# Altium PCB graviton.PcbDoc (part 1 of 15) (continued)
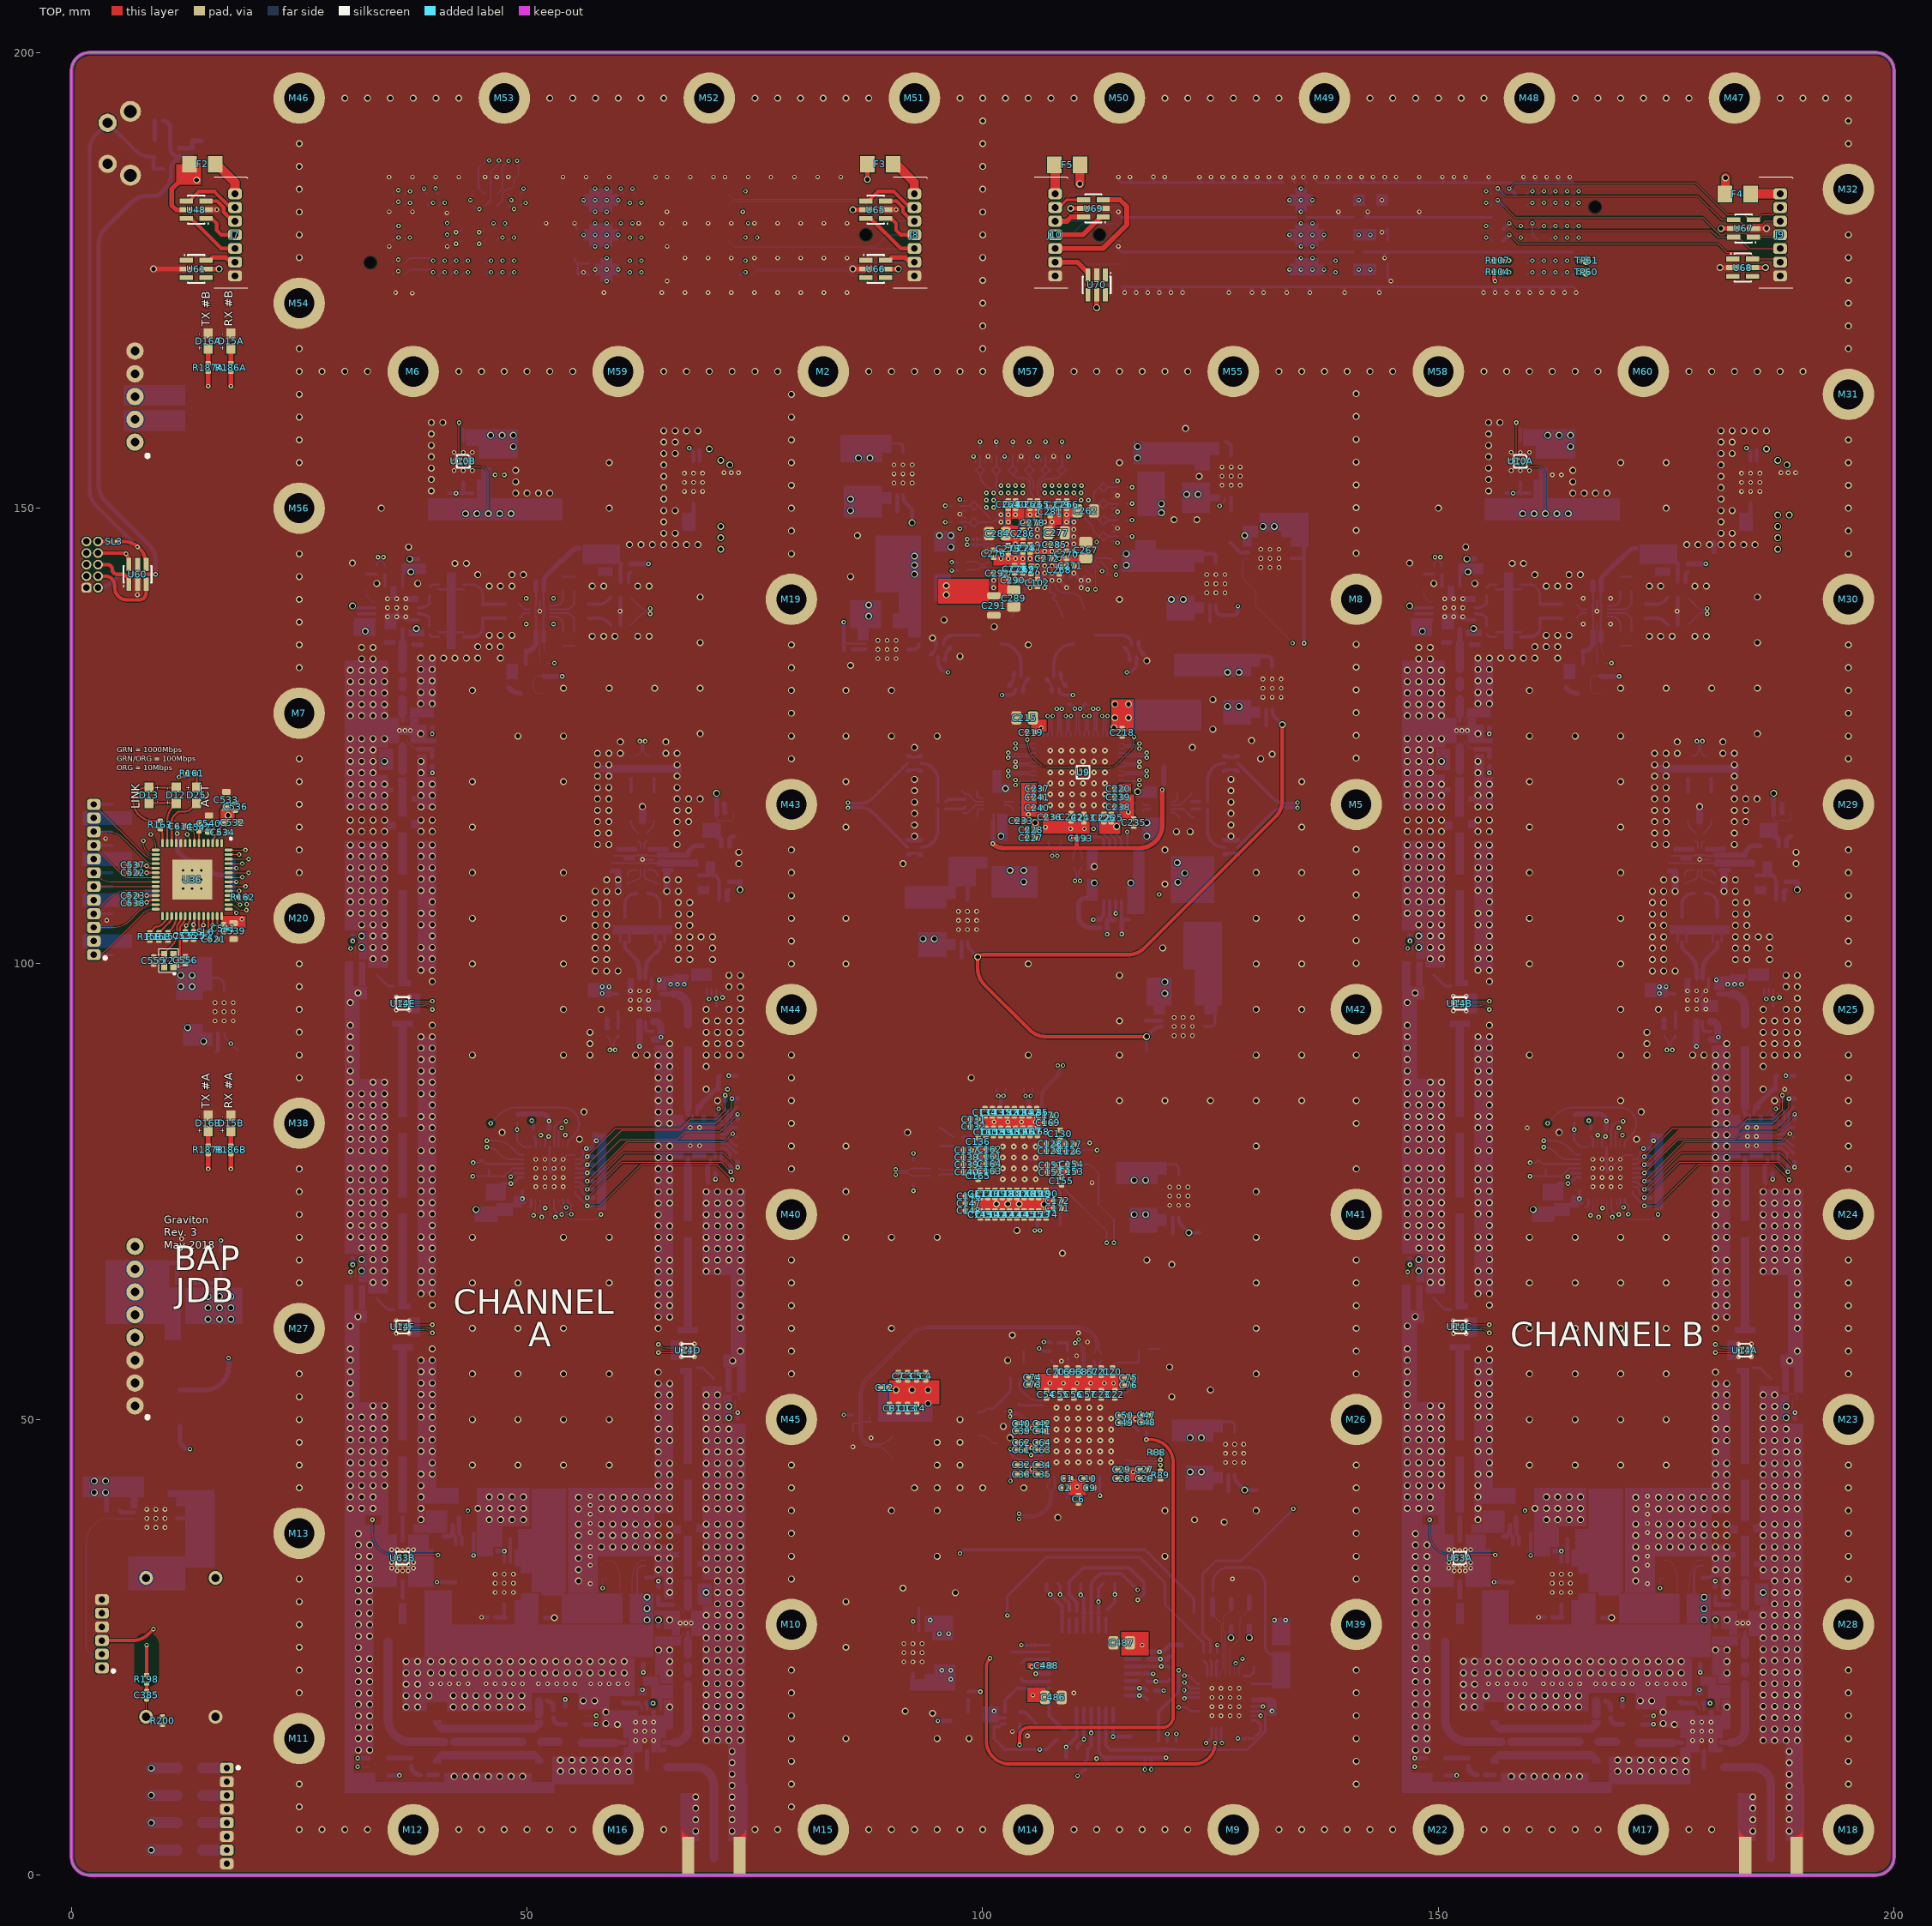
[diagram p0: TOP view]
## Classes and differential pairs (continued)
net class z50l14: CLK-40_38 NetC256A_2 NetC256B_2 NetC256C_2 NetC256D_2 NetC256E_2 NetC256F_2 NetC257A_1 NetC257B_1 NetC257C_1 NetC257D_1 NetC257E_1 NetC257F_1 NetC350A_1 NetC350A_2 NetC350B_1 NetC350B_2 NetC350C_1 NetC350C_2 NetC350D_1 NetC350D_2 NetC351A_1 NetC351B_1 NetC351C_1 NetC351D_1 NetC366A_1 NetC366B_1 NetC480A_2 NetC480B_2 NetC481A_1 NetC481B_1 NetC504A_1 NetC504A_2 NetC504B_1 NetC504B_2 NetC507A_1 NetC507B_1 NetL3A_2 NetL3B_2 NetL17A_2 NetL17B_2 NetMS1A_4 NetMS1A_6 NetMS1B_4 NetMS1B_6 R1A R1B R2A R2B R3A R3B R5A R5B RF3A RF3B RM_FA_N RM_FA_P RM_FB_N RM_FB_P RX-INA RX-INB T1A T1B T2A T2B T3A T3B T4A T4B T5A T5B TX-OUTA TX-OUTB
net class z50l12: NetR162_2 PRE_RX_ENA PRE_RX_ENB RGMII.CONFIG_2 RGMII.MDC_2 RGMII.MDIO_2 RGMII.RESETN_2 RGMII.RXCLK_2 RGMII.RXCTRL_2 RGMII.RXD0_2 RGMII.RXD1_2 RGMII.RXD2_2 RGMII.RXD3_2 RGMII.TXCLK_2 RGMII.TXCTRL_2 RGMII.TXD0_2 RGMII.TXD1_2 RGMII.TXD2_2 RGMII.TXD3_2 TX_SWA TX_SWB
component class IFAMP1RXB: C98B C99B C100B C101B C103B C104B C105B C106B C107B C108B C109B C110B C111B C112B C113B C116B C117B C192B FL1B FL2B L1B L2B R31B R32B R35B R36B R38B R41B T1B U16B U17B U19B
component class ETH: C521 C522 C523 C525 C529 C530 C532 C533 C534 C535 C536 C537 C538 C539 C540 C541 C542 C543 C544 C545 C546 C547 C548 C549 C550 C551 C552 C553 C554 C555 C556 C612 C613 C614 C618 C619 C620 D12 D13 D17 D18 D19 D20 D21 D22 D23 D24 D25 P2 R157 R158 R159 R161 R162 R163 R165 SL6 U36 Y2
component class CON-R-B: F4 F5 J6 J9 J10 U67 U68 U69 U70
component class CON-L-B: F2 F3 J4 J7 J8 U48 U61 U65 U66
component class TXMIXB: C209B C368B C369B C370B C371B C372B C373B C374B C375B C376B C377B L31B L32B R44B R46B R90B R91B R133B R134B U30B U31B U32B
component class TXMIXA: C209A C368A C369A C370A C371A C372A C373A C374A C375A C376A C377A L31A L32A R44A R46A R90A R91A R133A R134A U30A U31A U32A
component class RXMIXB: C206B C208B C355B C358B C359B C360B C361B C362B C363B C364B C365B C366B C367B FB11B L30B L36B L37B R39B R40B R45B R130B U18B U27B U28B U29B
component class RXMIXA: C206A C208A C355A C358A C359A C360A C361A C362A C363A C364A C365A C366A C367A L30A L36A L37A R39A R40A R45A R130A U18A U27A U28A U29A
component class SYNTH: C18 C115 C118 C119 C120 C121 C122 C123 C124 C125 C126 C127 C128 C129 C130 C131 C132 C133 C134 C135 C136 C137 C138 C139 C140 C141 C142 C143 C144 C145 C146 C147 C148 C149 C150 C151 C152 C153 C154 C155 C156 C157 C158 C159 C160 C161 C162 C163 C164 C165 C166 C167 C168 C169 C170 C171 C172 C173 C174 C175 C176 C177 C178 C179 C180 C181 C182 C183 C184 C185 C186 C187 C188 C189 C190 D1 D2 D3 R42 R43 R48 R49 R50 R51 R52 R53 R54 R55 R56 R57 U7
component class DAC-DIGITAL: C86 C87 C483 C484 R18 R201 R202 R203 R204 R205 R206 R207 R208 R209 R210 R211 R212 R213 R214 R215 R216 R217 R218 R219 R220 R221 R222 R223 R224 R225 R226 R227 R228 R229 R230 R231 R232 R233 R234 R235 R236 SL1 SL2 TP4 U2
component class CLK: C1 C2 C3 C4 C5 C6 C7 C8 C9 C10 C11 C12 C13 C14 C16 C17 C20 C21 C22 C23 C26 C27 C28 C29 C32 C33 C34 C35 C39 C40 C41 C42 C46 C47 C48 C49 C50 C53 C54 C55 C56 C57 C60 C61 C62 C63 C64 C67 C68 C69 C70 C73 C74 C75 C76 C79 C80 C81 C82 C83 C84 C85 C482 R3 R4 R6 R7 R8 R9 R10 R11 R12 R15 R16 R17 R86 R88 R89 TP33 TP34 U1 Y1
component class ADC-DIGITAL: C334 C335 R102 R104 R105 R106 R107 TP53 TP60 TP61 TP62 TP63 U21
component class MECH: M2 M5 M6 M7 M8 M9 M10 M11 M12 M13 M14 M15 M16 M17 M18 M19 M20 M21 M22 M23 M24 M25 M26 M27 M28 M29 M30 M31 M32 M33 M34 M35 M38 M39 M40 M41 M42 M43 M44 M45 M46 M47 M48 M49 M50 M51 M52 M53 M54 M55 M56 M57 M58 M59 M60 TP5 TP6 TP7 TP8 TP9 TP10 TP11 TP12 TP13 TP14 TP54 TP55 TP56 TP57 TP58
component class FANS: F6 F7 F8 F9 J11 MB1 Q11 R252
component class ADC-AMPB: C90B C91B C92B C93B C201B C203B R23B R24B R25B R26B R29B R30B TP17B TP27B U6B
component class ADC-LDO: C388 C389 C390 C391 C392 C393 C394 C395 C396 C397 C398 C399 R59 TP18 TP19 TP20 U34 U35 U37
component class ADC-POWER: C214 C215 C216 C217 C218 C219 C220 C221 C222 C223 C224 C225 C226 C227 C228 C229 C230 C231 C232 C233 C234 C235 C236 C237 C238 C239 C240 C241 C242 C243 L7 L8 L9
component class ADC: C24 C25 C380 C381 R61 U8 U9
component class DAC-ANALOG: C102 R2 R5 R27 R33 R34 T3 T4 TP28 TP30 TP59 TP67
component class DAC-LDO: C408 C409 C410 C411 C412 C413 C414 C415 C416 C417 C418 C419 R62 TP22 TP23 TP24 U40 U41 U42
component class DAC-POWER: C262 C263 C264 C265 C266 C267 C268 C269 C270 C271 C272 C273 C274 C275 C276 C277 C278 C279 C280 C281 C282 C283 C284 C285 C286 C287 C288 C289 C290 C291 C292 L14 L16 L19
component class DSAA: C293A C294A C295A C296A D7A L20A R67A R69A R70A R71A R72A R73A R74A R75A U15A
component class DSAB: C293B C294B C295B C296B D7B L20B R67B R69B R70B R71B R72B R73B R74B R75B U15B
component class ETH-LDO: C420 C421 C422 C423 R63 TP25 U43
component class IFAMP1RXA: C98A C99A C100A C101A C103A C104A C105A C106A C107A C108A C109A C110A C111A C112A C113A C116A C117A C192A FL1A FL2A L1A L2A R31A R32A R35A R36A R38A R41A T1A U16A U17A U19A
component class IFAMPTXA: C320A C321A C322A C323A C324A C325A C326A C327A C328A C329A C330A C331A C332A C333A C336A C337A FL3A FL4A L25A L26A R97A R98A R99A R100A R109A R110A R111A R112A R113A R114A R116A R117A R119A R120A U20A U22A U24A
component class IFAMPTXB: C320B C321B C322B C323B C324B C325B C326B C327B C328B C329B C330B C331B C332B C333B C336B C337B FL3B FL4B L25B L26B R97B R98B R99B R100B R109B R110B R111B R112B R113B R114B R116B R117B R119B R120B U20B U22B U24B
component class INGRESS: C38 C43 C58 P1 P3
component class MAIN: C486 C487 C488 F1 J2 J3 J5 R14 R19 R20 R21 R22 R58 R87 R138 R196 R197 R237 R239 R242 R243 R244 R245 SL3 SL7 SL8 SL9 SL11 SL12 SL13 SL14 SL15 SL16 SL17 SL18 SL19 SL21 SL23 SL25 SL26 TP1 TP2 TP3 TP15 TP35 TP36 TP37 TP38 TP39 TP40 TP41 TP42 TP43 TP44 TP46 TP47 TP48 TP49 TP50 TP51 U59 U60
component class OCXO: C382 C383 C384 C385 C386 C387 C490 J1 R137 R139 R140 R198 R200 U33 Y3
component class RFA: C244A C245A C471A C472A C473A C474A C475A C476A C477A C478A D15A D16A R37A R47A R92A R175A R176A R177A R178A R179A R180A R181A R182A R183A R186A R187A U11A U54A
component class RFB: C244B C245B C471B C472B C473B C474B C475B C476B C477B C478B D15B D16B R37B R47B R92B R175B R176B R177B R178B R179B R180B R181B R182B R183B R186B R187B U11B U54B
component class RST: C467 C468 C469 R171 R172 R173 R174 S1 U53
component class SAWTXA: U55B
component class SAWTXB: U55D
component class SWA: C502A C503A C505A C506A C507A D26A L46A R15A R256A U64A
component class SWB: C502B C503B C505B C506B C507B D26B L46B R15B R256B U64B
component class V1V8: C432 C433 C434 C435 R141 U46
component class V2V5: C436 C437 C438 C439 R142 U47
component class V3CLK: C404 C405 C406 C407 R60 TP21 U39
component class V3SYNTH: C428 C429 C430 C431 R66 TP26 U45
component class V3: C424 C425 C426 C427 U44
component class V5A: C454A C455A C456A C457A C458A R152A R153A TP29A U10A U49A
component class V5B: C454B C455B C456B C457B C458B R152B R153B TP29B U10B U49B
component class V5NA: C463A C464A C465A C466A R169A R170A TP68A U52A
component class V5NB: C463B C464B C465B C466B R169B R170B TP68B U52B
component class VSWRA: C480A C481A C504A MS1A R190A R191A R192A R193A R194A R195A U57A U58A
component class VSWRB: C480B C481B C504B MS1B R190B R191B R192B R193B R194B R195B U57B U58B
channel class dsa: DSAA DSAB
channel class ifamp-rx: IFAMP1RXA IFAMP1RXB
channel class ifamp-tx: IFAMPTXA IFAMPTXB
channel class mixer-rx: RXMIXA RXMIXB
channel class mixer-tx: TXMIXA TXMIXB
channel class power-v5: V5A V5B
channel class power-v5n: V5NA V5NB
channel class rf: RFA RFB
channel class rx: RXA RXB
channel class switch: SWA SWB
channel class tx: TXA TXB
channel class vswr: VSWRA VSWRB
component class PA-LDOA: C207A C494A C496A C497A C498A C499A C500A R1A R253A R254A R255A U3A U62A
component class PA-LDOB: C207B C494B C496B C497B C498B C499B C500B R1B R253B R254B R255B U3B U62B
channel class pa: PAA PAB
net class spi: ADC-CS_2 CLK-CS_2 CLK_2 DAC-CS_2 SPI-A-CS_2 SPI-B-CS_2 SYNTH-CS_2 TELEM-CS_2
component class AMP1RXA: C210A C211A C253A C254A C255A C256A C257A C258A C259A C260A C261A L13A R64A R65A U12A U13A U14A
component class AMP1RXB: C210D C211D C253D C254D C255D C256D C257D C258D C259D C260D C261D L13D R64D R65D U12D U13D U14D
channel class lna: LNAA LNAB LNATXA LNATXB
component class PREAMP2A: C210B C211B C253B C254B C255B C256B C257B C258B C259B C260B C261B L13B R64B R65B U12B U13B U14B
component class PREAMP2B: C210E C211E C253E C254E C255E C256E C257E C258E C259E C260E C261E L13E R64E R65E U12E U13E U14E
component class PREAMP3A: C210C C211C C253C C254C C255C C256C C257C C258C C259C C260C C261C L13C R64C R65C U12C U13C U14C
component class PREAMP3B: C210F C211F C253F C254F C255F C256F C257F C258F C259F C260F C261F L13F R64F R65F U12F U13F U14F
component class PAA: C15A C30A C31A C114A C191A C198A C202A C212A C213A L3A L17A L18A R13A R28A R188A R189A U4A U56A U63A
component class PAB: C15B C30B C31B C114B C191B C198B C202B C212B C213B L3B L17B L18B R13B R28B R188B R189B U4B U56B U63B
channel class pa-ldo: PA-LDOA PA-LDOB
net class eth: NetR162_2 RGMII.CONFIG_2 RGMII.MDC_2 RGMII.MDIO_2 RGMII.RESETN_2 RGMII.RXCLK_2 RGMII.RXCTRL_2 RGMII.RXD0_2 RGMII.RXD1_2 RGMII.RXD2_2 RGMII.RXD3_2 RGMII.TXCLK_2 RGMII.TXCTRL_2 RGMII.TXD0_2 RGMII.TXD1_2 RGMII.TXD2_2 RGMII.TXD3_2
net class dac: DAC-LVDS.DAC-D0_2_N DAC-LVDS.DAC-D0_2_P DAC-LVDS.DAC-D1_2_N DAC-LVDS.DAC-D1_2_P DAC-LVDS.DAC-D2_2_N DAC-LVDS.DAC-D2_2_P DAC-LVDS.DAC-D3_2_N DAC-LVDS.DAC-D3_2_P DAC-LVDS.DAC-D4_2_N DAC-LVDS.DAC-D4_2_P DAC-LVDS.DAC-D5_2_N DAC-LVDS.DAC-D5_2_P DAC-LVDS.DAC-D6_2_N DAC-LVDS.DAC-D6_2_P DAC-LVDS.DAC-D7_2_N DAC-LVDS.DAC-D7_2_P DAC-LVDS.DAC-D8_2_N DAC-LVDS.DAC-D8_2_P DAC-LVDS.DAC-D9_2_N DAC-LVDS.DAC-D9_2_P DAC-LVDS.DAC-D10_2_N DAC-LVDS.DAC-D10_2_P DAC-LVDS.DAC-D11_2_N DAC-LVDS.DAC-D11_2_P DAC-LVDS.DAC-D12_2_N DAC-LVDS.DAC-D12_2_P DAC-LVDS.DAC-DCLK_2_N DAC-LVDS.DAC-DCLK_2_P DAC-LVDS.DAC-FRAME_2_N DAC-LVDS.DAC-FRAME_2_P DAC-LVDS.DAC-OSTR_2_N DAC-LVDS.DAC-OSTR_2_P DAC-LVDS.DAC-PARITY_2_N DAC-LVDS.DAC-PARITY_2_P DAC-LVDS.DAC-SYNC_2_N DAC-LVDS.DAC-SYNC_2_P
component class OSC: C19 R85 U38 U50
component class TELEM: C36 C37 C44 C45 C51 C52 R68 R76 R77 R78 R79 R80 R81 R82 R83 R84 U5 U23 U25
differential pair RX-B.S_2: +RX-B.S_2_P -RX-B.S_2_N
differential pair RX-A.S_2: +RX-A.S_2_P -RX-A.S_2_N
differential pair IN-BB: +IN-BB_P -IN-BB_N
differential pair IN-BA: +IN-BA_P -IN-BA_N
differential pair A8B: +A8B_P -A8B_N
differential pair A8A: +A8A_P -A8A_N
differential pair A6B: +A6B_P -A6B_N
differential pair A6A: +A6A_P -A6A_N
differential pair TX-LO-B.C_2: +TX-LO-B.C_2_P -TX-LO-B.C_2_N
differential pair TX-LO-A.C_2: +TX-LO-A.C_2_P -TX-LO-A.C_2_N
differential pair RX-LO-B.C_2: +RX-LO-B.C_2_P -RX-LO-B.C_2_N
differential pair RX-LO-A.C_2: +RX-LO-A.C_2_P -RX-LO-A.C_2_N
differential pair IOUTC_28: +IOUTC_28_P -IOUTC_28_N
differential pair IOUTB_28: +IOUTB_28_P -IOUTB_28_N
differential pair TX-B.S_2: +TX-B.S_2_P -TX-B.S_2_N
differential pair TX-A.S_2: +TX-A.S_2_P -TX-A.S_2_N
differential pair ADC0-LVDS.ADC-D0_2: +ADC0-LVDS.ADC-D0_2_P -ADC0-LVDS.ADC-D0_2_N
differential pair ADC0-LVDS.ADC-D1_2: +ADC0-LVDS.ADC-D1_2_P -ADC0-LVDS.ADC-D1_2_N
differential pair ADC0-LVDS.ADC-D2_2: +ADC0-LVDS.ADC-D2_2_P -ADC0-LVDS.ADC-D2_2_N
differential pair ADC0-LVDS.ADC-D3_2: +ADC0-LVDS.ADC-D3_2_P -ADC0-LVDS.ADC-D3_2_N
differential pair ADC0-LVDS.ADC-D4_2: +ADC0-LVDS.ADC-D4_2_P -ADC0-LVDS.ADC-D4_2_N
differential pair ADC0-LVDS.ADC-D5_2: +ADC0-LVDS.ADC-D5_2_P -ADC0-LVDS.ADC-D5_2_N
differential pair ADC0-LVDS.ADC-D6_2: +ADC0-LVDS.ADC-D6_2_P -ADC0-LVDS.ADC-D6_2_N
differential pair ADC0-LVDS.ADC-D7_2: +ADC0-LVDS.ADC-D7_2_P -ADC0-LVDS.ADC-D7_2_N
differential pair ADC0-LVDS.ADC-D8_2: +ADC0-LVDS.ADC-D8_2_P -ADC0-LVDS.ADC-D8_2_N
differential pair ADC0-LVDS.ADC-D9_2: +ADC0-LVDS.ADC-D9_2_P -ADC0-LVDS.ADC-D9_2_N
differential pair ADC0-LVDS.ADC-D10_2: +ADC0-LVDS.ADC-D10_2_P -ADC0-LVDS.ADC-D10_2_N
differential pair ADC0-LVDS.ADC-D11_2: +ADC0-LVDS.ADC-D11_2_P -ADC0-LVDS.ADC-D11_2_N
differential pair ADC0-LVDS.ADC-D12_2: +ADC0-LVDS.ADC-D12_2_P -ADC0-LVDS.ADC-D12_2_N
differential pair ADC0-LVDS.ADC-D13_2: +ADC0-LVDS.ADC-D13_2_P -ADC0-LVDS.ADC-D13_2_N
differential pair ADC0-LVDS.ADC-D14_2: +ADC0-LVDS.ADC-D14_2_P -ADC0-LVDS.ADC-D14_2_N
differential pair ADC0-LVDS.ADC-D15_2: +ADC0-LVDS.ADC-D15_2_P -ADC0-LVDS.ADC-D15_2_N
differential pair ADC0-LVDS.ADC-DCLK_2: +ADC0-LVDS.ADC-DCLK_2_P -ADC0-LVDS.ADC-DCLK_2_N
differential pair ADC0-LVDS.ADC-SYNC_2: +ADC0-LVDS.ADC-SYNC_2_P -ADC0-LVDS.ADC-SYNC_2_N
differential pair ADC-CLK.C_2: +ADC-CLK.C_2_P -ADC-CLK.C_2_N
differential pair CLIENT-CLK.C_2: +CLIENT-CLK.C_2_P -CLIENT-CLK.C_2_N
differential pair D0_T_27: +D0_T_27_P -D0_T_27_N
differential pair D12_T_27: +D12_T_27_P -D12_T_27_N
differential pair DAC-CLK.C_2: +DAC-CLK.C_2_P -DAC-CLK.C_2_N
differential pair DAC-LVDS.DAC-D0_2: +DAC-LVDS.DAC-D0_2_P -DAC-LVDS.DAC-D0_2_N
differential pair DAC-LVDS.DAC-D1_2: +DAC-LVDS.DAC-D1_2_P -DAC-LVDS.DAC-D1_2_N
differential pair DAC-LVDS.DAC-D2_2: +DAC-LVDS.DAC-D2_2_P -DAC-LVDS.DAC-D2_2_N
differential pair DAC-LVDS.DAC-D3_2: +DAC-LVDS.DAC-D3_2_P -DAC-LVDS.DAC-D3_2_N
differential pair DAC-LVDS.DAC-D4_2: +DAC-LVDS.DAC-D4_2_P -DAC-LVDS.DAC-D4_2_N
differential pair DAC-LVDS.DAC-D5_2: +DAC-LVDS.DAC-D5_2_P -DAC-LVDS.DAC-D5_2_N
differential pair DAC-LVDS.DAC-D6_2: +DAC-LVDS.DAC-D6_2_P -DAC-LVDS.DAC-D6_2_N
differential pair DAC-LVDS.DAC-D7_2: +DAC-LVDS.DAC-D7_2_P -DAC-LVDS.DAC-D7_2_N
differential pair DAC-LVDS.DAC-D8_2: +DAC-LVDS.DAC-D8_2_P -DAC-LVDS.DAC-D8_2_N
differential pair DAC-LVDS.DAC-D9_2: +DAC-LVDS.DAC-D9_2_P -DAC-LVDS.DAC-D9_2_N
differential pair DAC-LVDS.DAC-D10_2: +DAC-LVDS.DAC-D10_2_P -DAC-LVDS.DAC-D10_2_N
differential pair DAC-LVDS.DAC-D11_2: +DAC-LVDS.DAC-D11_2_P -DAC-LVDS.DAC-D11_2_N
differential pair DAC-LVDS.DAC-D12_2: +DAC-LVDS.DAC-D12_2_P -DAC-LVDS.DAC-D12_2_N
differential pair DAC-LVDS.DAC-D13_2: +DAC-LVDS.DAC-D13_2_P -DAC-LVDS.DAC-D13_2_N
differential pair DAC-LVDS.DAC-D14_2: +DAC-LVDS.DAC-D14_2_P -DAC-LVDS.DAC-D14_2_N
differential pair DAC-LVDS.DAC-D15_2: +DAC-LVDS.DAC-D15_2_P -DAC-LVDS.DAC-D15_2_N
differential pair DAC-LVDS.DAC-DCLK_2: +DAC-LVDS.DAC-DCLK_2_P -DAC-LVDS.DAC-DCLK_2_N
differential pair DAC-LVDS.DAC-FRAME_2: +DAC-LVDS.DAC-FRAME_2_P -DAC-LVDS.DAC-FRAME_2_N
differential pair DAC-LVDS.DAC-OSTR_2: +DAC-LVDS.DAC-OSTR_2_P -DAC-LVDS.DAC-OSTR_2_N
differential pair DAC-LVDS.DAC-PARITY_2: +DAC-LVDS.DAC-PARITY_2_P -DAC-LVDS.DAC-PARITY_2_N
differential pair DAC-LVDS.DAC-SYNC_2: +DAC-LVDS.DAC-SYNC_2_P -DAC-LVDS.DAC-SYNC_2_N
differential pair DCLK_T_27: +DCLK_T_27_P -DCLK_T_27_N
differential pair FRAME_T_27: +FRAME_T_27_P -FRAME_T_27_N
differential pair LO-CLK.C_34: +LO-CLK.C_34_P -LO-CLK.C_34_N
differential pair PARITY_T_27: +PARITY_T_27_P -PARITY_T_27_N
differential pair SYNC_T_27: +SYNC_T_27_P -SYNC_T_27_N
differential pair VXO_34: +VXO_34_P -VXO_34_N
differential pair RX_MIXA: +RX_MIXA_P -RX_MIXA_N
differential pair RX_MIXB: +RX_MIXB_P -RX_MIXB_N
differential pair DAC-OSTR_T_27: +DAC-OSTR_T_27_P -DAC-OSTR_T_27_N
differential pair DACCLK_T_27: +DACCLK_T_27_P -DACCLK_T_27_N
differential pair CLKIN_T_21: +CLKIN_T_21_P -CLKIN_T_21_N
differential pair SYNCIN_T_21: +SYNCIN_T_21_P -SYNCIN_T_21_N
differential pair D1_28: +D1_28_P -D1_28_N
differential pair D2_28: +D2_28_P -D2_28_N

## Components (designator, comment, footprint, x,y, rotation, side; value= is the part's Value field where it differs from the comment)
C1 "GRM155R71H103KA88" CAPC100X50X55L25N#1 109.25,43.5 r0 top value=10nF
C2 "GRM155R71H103KA88" CAPC100X50X55L25N#1 109,42.5 r0 top value=10nF
C3 "GRM155R71H103KA88" CAPC100X50X55L25N#1 91.75,54.75 r270 top value=10nF
C4 "GRM155R71H103KA88" CAPC100X50X55L25N#1 93.75,54.75 r270 top value=10nF
C5 "GRM155R71H103KA88" CAPC100X50X55L25N#1 92.75,54.75 r270 top value=10nF
C6 "GRM155R71C104KA88J" CAPC100X50X55L25N#1 110.5,41.25 r90 top value=100nF
C7 "GRM155R71C104KA88J" CAPC100X50X55L25N#1 90.75,54.75 r270 top value=100nF
C8 "GRM155R71C104KA88J" CAPC100X50X55L25N#1 89.75,51.25 r90 top value=100nF
C9 "CGA2B2NP01H102J050BA" CAPC100X50X55L25N#1 111.75,42.5 r180 top value=1nF
C10 "CGA2B2NP01H102J050BA" CAPC100X50X55L25N#1 111.5,43.5 r180 top value=1nF
C11 "CGA2B2NP01H102J050BA" CAPC100X50X55L25N#1 90.75,51.25 r90 top value=1nF
C12 "CGA2B2NP01H102J050BA" CAPC100X50X55L25N#1 89.25,53.5 r0 top value=1nF
C13 "CGA2B2NP01H102J050BA" CAPC100X50X55L25N#1 91.75,51.25 r90 top value=1nF
C14 "CGA2B2NP01H102J050BA" CAPC100X50X55L25N#1 92.75,51.25 r90 top value=1nF
C15A "251R14S3R3BV4T" CAPC160X80X90L20N#1 151.5,41 r0 bottom value=3.3pF (schematic designator C15)
C15B "251R14S3R3BV4T" CAPC160X80X90L20N#2 35.5,41 r0 bottom value=3.3pF (schematic designator C15)
C16 "CGA2B2NP01H102J050BA" CAPC100X50X55L25N#1 110,55.32 r90 bottom value=1nF
C17 "VJ0402A101KXA" CAPC100X50X55L25N#1 104.25,46.07 r90 bottom value=100pF
C18 "VJ0402A101KXA" CAPC100X50X55L25N#1 110.6,80.7 r90 bottom value=100pF
C19 "GRM155R71H103KA88" CAPC100X50X55L25N#1 109.25,16.5 r90 bottom value=10nF
C20 "CGA2B2NP01H102J050BA" CAPC100X50X55L25N#1 114.25,55.25 r270 top value=1nF
C21 "CGA2B2NP01H102J050BA" CAPC100X50X55L25N#1 113,55.25 r270 top value=1nF
C22 "GRM155R71H103KA88" CAPC100X50X55L25N#1 114.5,52.75 r90 top value=10nF
C23 "GRM155R71H103KA88" CAPC100X50X55L25N#1 113,52.75 r90 top value=10nF
C24 "CL21B106KOQNNNE" CAPC200X125X145L45N 118.8,110.05 r0 bottom value=10uF
C25 "C1005X7R1E224K050BE" CAPC100X50X55L25N#1 118.25,111.875 r0 bottom value=220nF
C26 "CGA2B2NP01H102J050BA" CAPC100X50X55L25N#1 117.75,43.5 r180 top value=1nF
C27 "CGA2B2NP01H102J050BA" CAPC100X50X55L25N#1 117.75,44.5 r180 top value=1nF
C28 "GRM155R71H103KA88" CAPC100X50X55L25N#1 115.25,43.5 r0 top value=10nF
C29 "GRM155R71H103KA88" CAPC100X50X55L25N#1 115.25,44.5 r0 top value=10nF
C30A "GRM155R71H103KA88" CAPC100X50X55L25N#1 158.285,38.4 r0 bottom value=10nF (schematic designator C30)
C30B "GRM155R71H103KA88" CAPC100X50X55L25N#1 42.285,38.4 r0 bottom value=10nF (schematic designator C30)
C31A "C2012X5R1C106M085AC" CAPC2012X145N 157.275,40.375 r270 bottom value=10uF (schematic designator C31)
C31B "C2012X5R1C106M085AC" CAPC2012X145N 41.275,40.375 r270 bottom value=10uF (schematic designator C31)
C32 "CGA2B2NP01H102J050BA" CAPC100X50X55L25N#1 104.25,45 r0 top value=1nF
C33 "CGA2B2NP01H102J050BA" CAPC100X50X55L25N#1 104.25,44 r0 top value=1nF
C34 "GRM155R71H103KA88" CAPC100X50X55L25N#1 106.5,45 r180 top value=10nF
C35 "GRM155R71H103KA88" CAPC100X50X55L25N#1 106.5,44 r180 top value=10nF
C36 "ZRB18AR61E106ME01L" CAPC160X80X90L20N#2 129.75,23.75 r270 bottom value=10uF
C37 "CL21B106KOQNNNE" CAPC200X125X145L45N 133.75,21.5 r0 bottom value=10uF
C38 "#NAME?" CAPPM730X435X310L135X240N 14.25,58.75 r0 bottom value=330uF
C39 "CGA2B2NP01H102J050BA" CAPC100X50X55L25N#1 104.25,48.75 r0 top value=1nF
C40 "CGA2B2NP01H102J050BA" CAPC100X50X55L25N#1 104.25,49.55 r0 top value=1nF
C41 "GRM155R71H103KA88" CAPC100X50X55L25N#1 106.5,48.75 r180 top value=10nF
C42 "GRM155R71H103KA88" CAPC100X50X55L25N#1 106.5,49.55 r180 top value=10nF
C43 "#NAME?" CAPPM730X435X310L135X240N 12.5,156.5 r270 bottom value=330uF
C44 "#NAME?" CAPC200X125X145L45N 132.75,19.25 r0 bottom value=1uF
C45 "GRM155R71H103KA88" CAPC100X50X55L25N#1 130.6,19.75 r90 bottom value=10nF
C46 "CGA2B2NP01H102J050BA" CAPC100X50X55L25N#1 108.5,55.25 r90 bottom value=1nF
C47 "CGA2B2NP01H102J050BA" CAPC100X50X55L25N#1 117.973,50.485 r180 top value=1nF
C48 "CGA2B2NP01H102J050BA" CAPC100X50X55L25N#1 117.973,49.685 r180 top value=1nF
C49 "GRM155R71H103KA88" CAPC100X50X55L25N#1 115.527,49.615 r0 top value=10nF
C50 "GRM155R71H103KA88" CAPC100X50X55L25N#1 115.527,50.415 r0 top value=10nF
C51 "GRM155R71H103KA88" CAPC100X50X55L25N#1 134,27 r0 bottom value=10nF
C52 "GRM155R71H103KA88" CAPC100X50X55L25N#1 133.75,23 r0 bottom value=10nF
C53 "CGA2B2NP01H102J050BA" CAPC100X50X55L25N#1 113.025,56.85 r90 bottom value=1nF
C54 "CGA2B2NP01H102J050BA" CAPC100X50X55L25N#1 107,52.75 r90 top value=1nF
C55 "CGA2B2NP01H102J050BA" CAPC100X50X55L25N#1 108.5,52.75 r90 top value=1nF
C56 "GRM155R71H103KA88" CAPC100X50X55L25N#1 110,52.75 r90 top value=10nF
C57 "GRM155R71H103KA88" CAPC100X50X55L25N#1 111.5,52.75 r90 top value=10nF
C58 "#NAME?" CAPPM730X435X310L135X240N 12.5,166.75 r270 bottom value=330uF
C60 "CGA2B2NP01H102J050BA" CAPC100X50X55L25N#1 112.125,56.85 r270 bottom value=1nF
C61 "CGA2B2NP01H102J050BA" CAPC100X50X55L25N#1 104.25,46.65 r0 top value=1nF
C62 "CGA2B2NP01H102J050BA" CAPC100X50X55L25N#1 104.25,47.45 r0 top value=1nF
C63 "GRM155R71H103KA88" CAPC100X50X55L25N#1 106.5,46.65 r180 top value=10nF
C64 "GRM155R71H103KA88" CAPC100X50X55L25N#1 106.5,47.45 r180 top value=10nF
C67 "CGA2B2NP01H102J050BA" CAPC100X50X55L25N#1 111.75,55.25 r270 top value=1nF
C68 "CGA2B2NP01H102J050BA" CAPC100X50X55L25N#1 110.5,55.25 r270 top value=1nF
C69 "GRM155R71H103KA88" CAPC100X50X55L25N#1 109.25,55.25 r270 top value=10nF
C70 "GRM155R71H103KA88" CAPC100X50X55L25N#1 108,55.25 r270 top value=10nF
C73 "CGA2B2NP01H102J050BA" CAPC100X50X55L25N#1 105.477,53.815 r0 top value=1nF
C74 "CGA2B2NP01H102J050BA" CAPC100X50X55L25N#1 105.477,54.615 r0 top value=1nF
C75 "GRM155R71H103KA88" CAPC100X50X55L25N#1 116.023,54.585 r180 top value=10nF
C76 "GRM155R71H103KA88" CAPC100X50X55L25N#1 116.023,53.785 r180 top value=10nF
C79 "ZRB18AR61E106ME01L" CAPC160X80X90L20N#2 110.25,40.75 r90 bottom value=10uF
C80 "GRM155R71H103KA88" CAPC100X50X55L25N#1 109.25,41 r90 bottom value=10nF
C81 "GRM1555C1H330JA01D" CAPC100X50X55L25N#1 105.75,55.25 r90 bottom value=33pF
C82 "EMK105SD152KV-F" CAPC100X50X55L25N#1 104.5,57.93 r90 bottom value=1.5nF
C83 "CGA2B2NP01H102J050BA" CAPC100X50X55L25N#1 103,55 r90 bottom value=1nF
C84 "06032U6R8BAT2A" CAPC160X80X90L20N#2 118,56.25 r0 bottom value=6.8pF
C85 "C2012X5R1A336M125AC" CAPC2012X145N 120.5,57.75 r0 bottom value=33uF
C86 "CGA2B2NP01H102J050BA" CAPC100X50X55L25N#1 97.779,143.17 r180 bottom value=1nF
C87 "CGA2B2NP01H102J050BA" CAPC100X50X55L25N#1 97.779,144.07 r180 bottom value=1nF
C90A "CGA2B2NP01H102J050BA" CAPC100X50X55L25N#1 119.75,115.1 r180 bottom value=1nF (schematic designator C90)
C90B "CGA2B2NP01H102J050BA" CAPC100X50X55L25N#1 102.65,115.85 r180 bottom value=1nF (schematic designator C90)
C91A "CGA2B2NP01H102J050BA" CAPC100X50X55L25N#1 118.9,119.6 r270 bottom value=1nF (schematic designator C91)
C91B "CGA2B2NP01H102J050BA" CAPC100X50X55L25N#1 101.1,119.7 r0 bottom value=1nF (schematic designator C91)
C92A "GRM155R71H103KA88" CAPC100X50X55L25N#1 119.75,114.2 r180 bottom value=10nF (schematic designator C92)
C92B "GRM155R71H103KA88" CAPC100X50X55L25N#1 102.65,114.95 r180 bottom value=10nF (schematic designator C92)
C93A "GRM155R71H103KA88" CAPC100X50X55L25N#1 118,119.5 r270 bottom value=10nF (schematic designator C93)
C93B "GRM155R71H103KA88" CAPC100X50X55L25N#1 101.1,120.5 r0 bottom value=10nF (schematic designator C93)
C94 "GRM155R71C104KA88J" CAPC100X50X55L25N#1 100.7,114 r180 bottom value=100nF
C95 "GRM155R71C104KA88J" CAPC100X50X55L25N#1 120.3,121.6 r0 bottom value=100nF
C96 "CGA2B2NP01H102J050BA" CAPC100X50X55L25N#1 120.3,119.8 r180 bottom value=1nF
C97 "GRM155R71H103KA88" CAPC100X50X55L25N#1 120.3,120.7 r180 bottom value=10nF
C98A "GRM155R71H103KA88" CAPC100X50X55L25N#1 187.775,112.9 r180 bottom value=10nF (schematic designator C98)
C98B "GRM155R71H103KA88" CAPC100X50X55L25N#1 71.775,112.9 r180 bottom value=10nF (schematic designator C98)
C99A "ZRB18AR61E106ME01L" CAPC160X80X90L20N#2 185.275,115.7 r270 bottom value=10uF (schematic designator C99)
C99B "ZRB18AR61E106ME01L" CAPC160X80X90L20N#2 69.275,115.7 r270 bottom value=10uF (schematic designator C99)
C100A "GRM155R61A105KE15" CAPC100X50X55L25N#1 187.225,117.575 r180 bottom value=1uF (schematic designator C100)
C100B "GRM155R61A105KE15" CAPC100X50X55L25N#1 71.225,117.575 r180 bottom value=1uF (schematic designator C100)
C101A "CGA2B2NP01H102J050BA" CAPC100X50X55L25N#1 180.725,112.3 r270 bottom value=1nF (schematic designator C101)
C101B "CGA2B2NP01H102J050BA" CAPC100X50X55L25N#1 64.725,112.3 r270 bottom value=1nF (schematic designator C101)
C102 "GRM155R71C104KA88J" CAPC100X50X55L25N#1 106,141.8 r90 top value=100nF
C103A "CGA2B2NP01H102J050BA" CAPC100X50X55L25N#1 176.605,112.3 r270 bottom value=1nF (schematic designator C103)
C103B "CGA2B2NP01H102J050BA" CAPC100X50X55L25N#1 60.605,112.3 r270 bottom value=1nF (schematic designator C103)
C104A "GRM155R71H103KA88" CAPC100X50X55L25N#1 181.525,112.3 r270 bottom value=10nF (schematic designator C104)
C104B "GRM155R71H103KA88" CAPC100X50X55L25N#1 65.525,112.3 r270 bottom value=10nF (schematic designator C104)
C105A "GRM155R71H103KA88" CAPC100X50X55L25N#1 175.706,112.3 r270 bottom value=10nF (schematic designator C105)
C105B "GRM155R71H103KA88" CAPC100X50X55L25N#1 59.706,112.3 r270 bottom value=10nF (schematic designator C105)
C106A "ZRB18AR61E106ME01L" CAPC160X80X90L20N#2 183.675,112.85 r270 bottom value=10uF (schematic designator C106)
C106B "ZRB18AR61E106ME01L" CAPC160X80X90L20N#2 67.675,112.85 r270 bottom value=10uF (schematic designator C106)
C107A "CC0402KRX7R8BB104" CAPC100X50X55L25N#1 179.165,113.847 r90 bottom value=100nF (schematic designator C107)
C107B "CC0402KRX7R8BB104" CAPC100X50X55L25N#1 63.165,113.847 r90 bottom value=100nF (schematic designator C107)
C108A "CC0402KRX7R8BB104" CAPC100X50X55L25N#1 178.165,113.847 r90 bottom value=100nF (schematic designator C108)
C108B "CC0402KRX7R8BB104" CAPC100X50X55L25N#1 62.165,113.847 r90 bottom value=100nF (schematic designator C108)
C109A "GRM155R71H103KA88" CAPC100X50X55L25N#1 187.5,107 r180 bottom value=10nF (schematic designator C109)
C109B "GRM155R71H103KA88" CAPC100X50X55L25N#1 71.5,107 r180 bottom value=10nF (schematic designator C109)
C110A "CGA2B2NP01H102J050BA" CAPC100X50X55L25N#1 176.125,110.6 r90 bottom value=1nF (schematic designator C110)
C110B "CGA2B2NP01H102J050BA" CAPC100X50X55L25N#1 60.125,110.6 r90 bottom value=1nF (schematic designator C110)
C111A "CGA2B2NP01H102J050BA" CAPC100X50X55L25N#1 181.025,110.7 r90 bottom value=1nF (schematic designator C111)
C111B "CGA2B2NP01H102J050BA" CAPC100X50X55L25N#1 65.025,110.7 r90 bottom value=1nF (schematic designator C111)
C112A "GRM155R71H103KA88" CAPC100X50X55L25N#1 181.825,110.7 r90 bottom value=10nF (schematic designator C112)
C112B "GRM155R71H103KA88" CAPC100X50X55L25N#1 65.825,110.7 r90 bottom value=10nF (schematic designator C112)
C113A "GRM155R71H103KA88" CAPC100X50X55L25N#1 175.225,110.6 r90 bottom value=10nF (schematic designator C113)
C113B "GRM155R71H103KA88" CAPC100X50X55L25N#1 59.225,110.6 r90 bottom value=10nF (schematic designator C113)
C114A "C2012X5R1C106M085AC" CAPC2012X145N 155.6,40.375 r270 bottom value=10uF (schematic designator C114)
C114B "C2012X5R1C106M085AC" CAPC2012X145N 39.6,40.375 r270 bottom value=10uF (schematic designator C114)
C115 "VJ0402A101KXA" CAPC100X50X55L25N#1 110.375,78.45 r90 bottom value=100pF
C116A "ZRB18AR61E106ME01L" CAPC160X80X90L20N#2 183.675,110.2 r90 bottom value=10uF (schematic designator C116)
C116B "ZRB18AR61E106ME01L" CAPC160X80X90L20N#2 67.675,110.2 r90 bottom value=10uF (schematic designator C116)
C117A "ZRB18AR61E106ME01L" CAPC160X80X90L20N#2 187.5,111.25 r180 bottom value=10uF (schematic designator C117)
C117B "ZRB18AR61E106ME01L" CAPC160X80X90L20N#2 71.5,111.25 r180 bottom value=10uF (schematic designator C117)
C118 "CGA2B2NP01H102J050BA" CAPC100X50X55L25N#1 94.7,76.746 r180 bottom value=1nF
C119 "CGA2B2NP01H102J050BA" CAPC100X50X55L25N#1 94.7,77.546 r180 bottom value=1nF
C120 "GRM155R71H472JA01D" CAPC100X50X55L25N#1 98.25,78.2 r0 bottom value=4.7nF
C121 "GRM1555C1H680GA01D" CAPC100X50X55L25N#1 98.25,79 r0 bottom value=68pF
C122 "C0805C474K5RACTU" CAPC200X125X145L45N 104,72.25 r0 bottom value=470nF
C123 "ZRB18AR61E106ME01L" CAPC160X80X90L20N#2 110.25,77 r180 bottom value=10uF
C124 "GRM155R71C104KA88J" CAPC100X50X55L25N#1 110.07,76 r180 bottom value=100nF
C125 "GRM155R61A105KE15" CAPC100X50X55L25N#1 99.5,82 r270 bottom value=1uF
C126 "GRM155R71H103KA88" CAPC100X50X55L25N#1 109.592,79.4 r180 top value=10nF
C127 "GRM155R71H103KA88" CAPC100X50X55L25N#1 109.592,80.2 r180 top value=10nF
C128 "GRM155R71C104KA88J" CAPC100X50X55L25N#1 107.408,80.25 r0 top value=100nF
C129 "GRM155R71C104KA88J" CAPC100X50X55L25N#1 107.408,79.45 r0 top value=100nF
C130 "GRM155R61A105KE15" CAPC100X50X55L25N#1 108.5,81.35 r270 top value=1uF
C131 "GRM155R71H103KA88" CAPC100X50X55L25N#1 99.042,82.95 r0 top value=10nF
C132 "GRM155R71H103KA88" CAPC100X50X55L25N#1 99.042,82.15 r0 top value=10nF
C133 "GRM155R71C104KA88J" CAPC100X50X55L25N#1 101.05,83.708 r270 top value=100nF
C134 "GRM155R71C104KA88J" CAPC100X50X55L25N#1 100.25,83.708 r270 top value=100nF
C135 "GRM155R61A105KE15" CAPC100X50X55L25N#1 101.875,83.708 r270 top value=1uF
C136 "GRM155R71H103KA88" CAPC100X50X55L25N#1 99.5,80.5 r270 top value=10nF
C137 "GRM155R71H103KA88" CAPC100X50X55L25N#1 98.3,79.542 r0 top value=10nF
C138 "GRM155R71C104KA88J" CAPC100X50X55L25N#1 98.3,78.742 r0 top value=100nF
C139 "GRM155R71C104KA88J" CAPC100X50X55L25N#1 98.3,77.942 r0 top value=100nF
C140 "GRM155R61A105KE15" CAPC100X50X55L25N#1 98.3,77.142 r0 top value=1uF
C141 "GRM155R71H103KA88" CAPC100X50X55L25N#1 101.35,72.5 r90 top value=10nF
C142 "GRM155R71H103KA88" CAPC100X50X55L25N#1 102.15,72.5 r90 top value=10nF
C143 "GRM155R71C104KA88J" CAPC100X50X55L25N#1 102.95,72.5 r90 top value=100nF
C144 "GRM155R71C104KA88J" CAPC100X50X55L25N#1 103.75,72.5 r90 top value=100nF
C145 "GRM155R61A105KE15" CAPC100X50X55L25N#1 104.55,72.5 r90 top value=1uF
C146 "GRM155R71H103KA88" CAPC100X50X55L25N#1 98.5,74.5 r0 top value=10nF
C147 "GRM155R71H103KA88" CAPC100X50X55L25N#1 98.5,73.7 r0 top value=10nF
C148 "GRM155R71C104KA88J" CAPC100X50X55L25N#1 98.5,72.9 r0 top value=100nF
C149 "GRM155R71C104KA88J" CAPC100X50X55L25N#1 99.75,72.5 r90 top value=100nF
C150 "GRM155R61A105KE15" CAPC100X50X55L25N#1 100.55,72.5 r90 top value=1uF
C151 "GRM155R71H103KA88" CAPC100X50X55L25N#1 107.5,77.908 r0 top value=10nF
C152 "GRM155R71H103KA88" CAPC100X50X55L25N#1 107.5,77.108 r0 top value=10nF
C153 "GRM155R71C104KA88J" CAPC100X50X55L25N#1 109.75,77.192 r180 top value=100nF
C154 "GRM155R71C104KA88J" CAPC100X50X55L25N#1 109.75,77.992 r180 top value=100nF
C155 "GRM155R61A105KE15" CAPC100X50X55L25N#1 108.65,76.15 r90 top value=1uF
C156 "GRM155R71H103KA88" CAPC100X50X55L25N#1 102.8,81.542 r90 top value=10nF
C157 "GRM155R71H103KA88" CAPC100X50X55L25N#1 103.6,81.542 r90 top value=10nF
C158 "GRM155R71C104KA88J" CAPC100X50X55L25N#1 101.175,81.542 r90 top value=100nF
C159 "GRM155R71C104KA88J" CAPC100X50X55L25N#1 101.975,81.542 r90 top value=100nF
C160 "GRM155R61A105KE15" CAPC100X50X55L25N#1 100.35,81.542 r90 top value=1uF
C161 "GRM155R71H103KA88" CAPC100X50X55L25N#1 100.792,78.85 r180 top value=10nF
C162 "GRM155R71H103KA88" CAPC100X50X55L25N#1 100.792,79.65 r180 top value=10nF
C163 "GRM155R71C104KA88J" CAPC100X50X55L25N#1 100.792,77.25 r180 top value=100nF